# KiCad board 4in1-panel.kicad_pcb (continued)
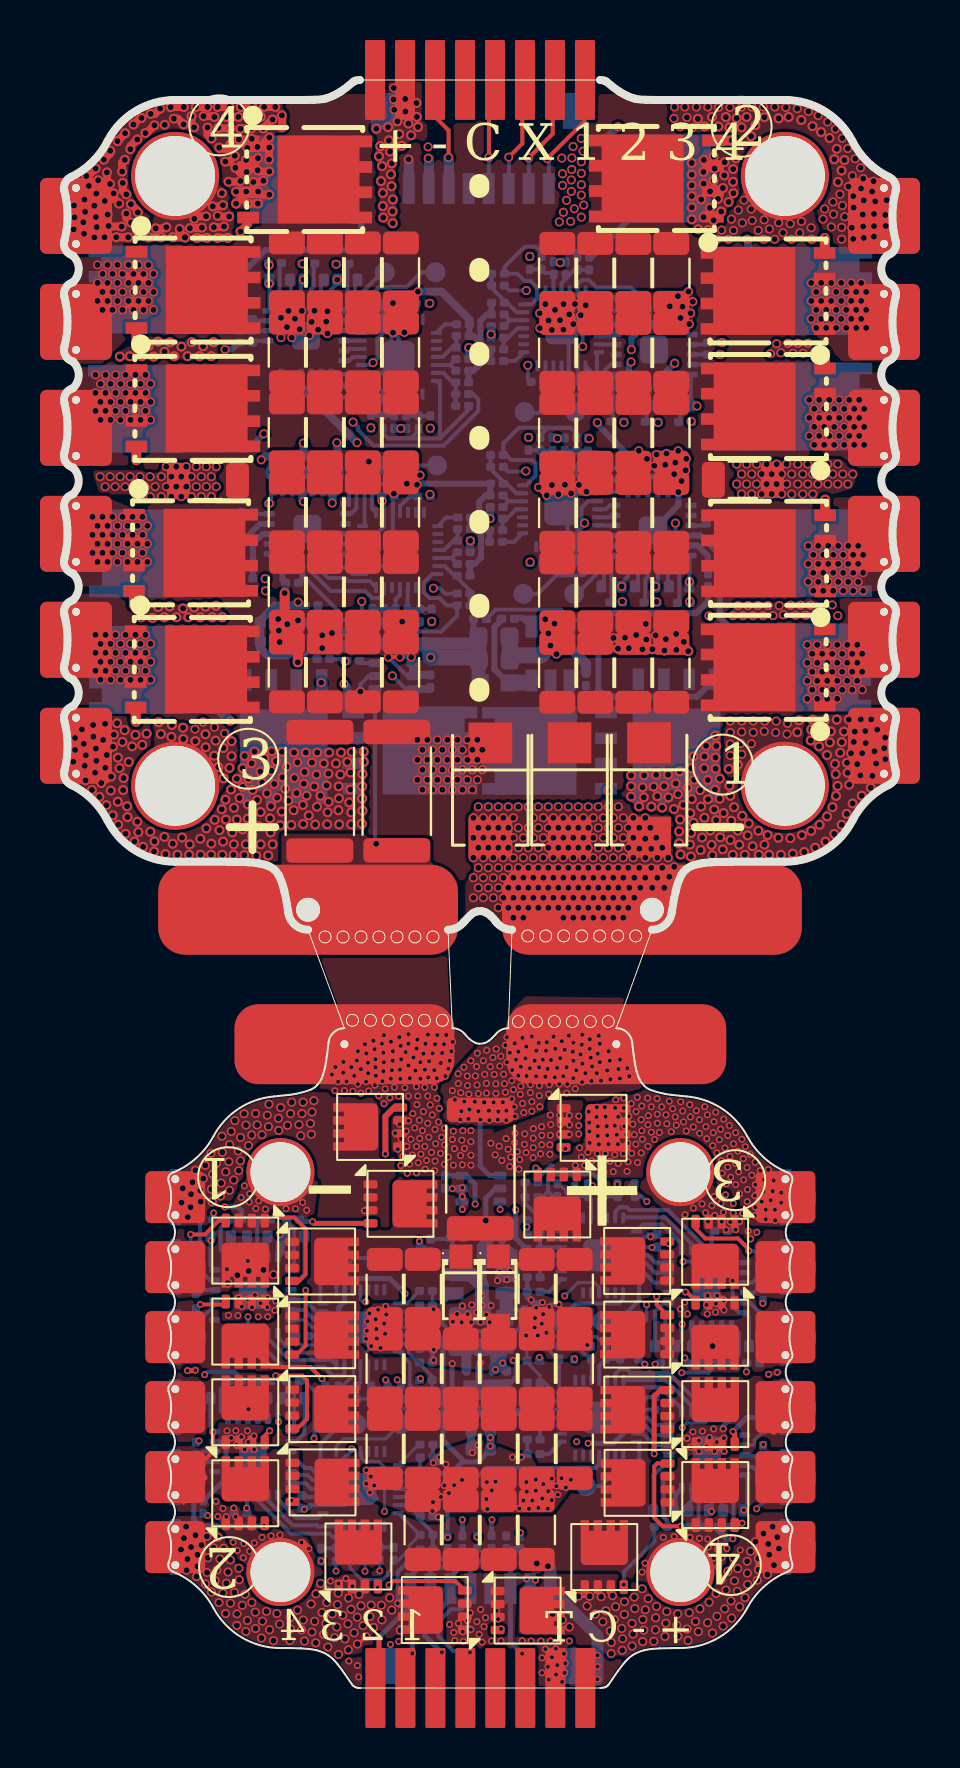
[diagram p0: board, top side]
## Routing (per net, layer and track width the routed paths; a pad name or vN(x,y) marks a point on that pad's centre or on a via; arc(x,y) is an arc through that point) (continued)
/CURR: length 39.8
  Top w0.2: 18.41,78.71 19.22,77.91 v1(19.22,76.54)
  In3.Cu w0.2: v1(14.04,51.36) 15.36,52.67 15.36,59.87 13.15,62.08 13.15,67.04 19.22,73.11 v1(19.22,76.54)
  Bottom w0.2: R73#2.1 14.06,51.37 v1(14.04,51.36) 13.94,51.46 C94#2.1
  Bottom w0.25: R73.1 C94.1 22.31,6.77 J1.3 22.31,2.31 v2(22.9,1.72)
  Bottom w0.5: v1(19.22,76.54) 19.21,76.53 19.21,76.38 19.23,76.35 19.23,75.57
/ESC1/AH: length 2.7
  Bottom w0.2: U2.20 12.59,18.84 12.02,19.41 U3#2.22 ; U2#2.20 26.69,58.14 U4#2.22
/ESC1/AL: length 4.5
  Bottom w0.2: U3#2.1 10.68,17.53 11.45,16.77 12.87,16.77 U2.15 ; U4#2.1 27.41,59.81 27.4,59.8 27.05,60.15 U2#2.15
/ESC1/BH: length 2.7
  Bottom w0.2: U3#2.23 12,18.91 12.47,18.44 U2.19 ; U2#2.19 27.45,58.56 U4#2.23
/ESC1/BL: length 7.5
  Bottom w0.2: U2#2.14 26.32,60.51 27.41,60.51 27.57,60.35 28.4,60.35 28.69,60.07 U4#2.2 ; U2.14 13.35,16.42 13.03,16.42 13.02,16.41 11.3,16.41 11.29,16.42 11.23,16.42 10.18,17.47 U3#2.2
/ESC1/CH: length 2.7
  Bottom w0.16: U2.18 12.93,18.04 12.39,18.04 12.02,18.41 U3#2.24
  Bottom w0.2: U2#2.18 27.1,58.96 27.29,59.14 U4#2.24
/ESC1/CL: length 10.8
  Bottom w0.2: U3#2.3 9.68,17.32 10.95,16.05 13.01,16.05 13.25,15.81 13.25,15.81 13.43,15.63 13.96,15.63 14,15.67 14,15.73 14,15.74 14.01,15.73 U2.13 ; U4#2.3 29.19,60.09 28.28,60.99 26.55,60.99 26.19,61.36 25.83,61.36 25.61,61.14 U2#2.13
/ESC1/FBA: length 6.3
  Bottom w0.16: U2.6 16.99,17.24 17.21,17.01 17.21,16.77 17.7,16.29 R26.2 17.77,16.21 18.4,15.58 R27.2 R25.1
  Bottom w0.2: R25#2.1 R27#2.2 21.32,60.97 21.95,60.34 R26#2.2 22.12,60.24 22.6,59.76 U2#2.6
/ESC1/FBB: length 5.2
  Bottom w0.16: U2.10 15.21,15.22 R28#2.2 15.44,15.1 16.09,14.45 16.83,14.45
  Bottom w0.2: R30#2.2 24.42,61.91 R29.2 24.41,61.87 U2#2.10
/ESC1/FBC: length 5.3
  Bottom w0.16: R33#2.2 R32.2 13.92,14.46 14.56,15.1 R31#2.2 14.81,15.28 U2.11
  Bottom w0.2: U2#2.11 24.81,61.14 25.03,61.36 R32#2.2 26.18,61.89 R33.2
/ESC1/FBCOMMON: length 16.2
  Bottom w0.16: U2.7 17.29,16.25 17.29,15.16 17.74,14.71 R25.2 17.76,14.67 17.07,13.98 15.81,13.98 R28#2.1 R31#2.1
  Bottom w0.2: U2#2.7 23.09,60.15 23.57,60.63 23.57,61.25 23.41,61.42 22.36,61.42 22.11,61.66 R25#2.2 21.96,62.26 22.74,63.04 25.33,63.04 25.34,63.03 ; 25.34,63.03 25.61,62.76 R31.1 ; 25.34,63.03 24.18,63.03 23.81,62.66 R28.1
/ESC1/GHA: length 5.2
  Bottom w0.2: R76.1 27.37,54.37 27.37,56.48 U4#2.19 ; U3#2.19 11.5,21.08 11.5,22.95 11.11,23.33 R16.1
/ESC1/GHB: length 3.7
  Bottom w0.2: R21#2.1 9.65,23.4 9.65,21.6 U3#2.16 ; R55.1 29.06,54.34 29.06,55.44 29.19,55.57 U4#2.16
/ESC1/GHC: length 4
  Bottom w0.2: R23#2.1 30.76,54.35 30.76,55.92 U4#2.13 ; U3#2.13 7.82,21.92 7.82,23.03 R23.1
/ESC1/GLA: length 5.4
  Bottom w0.2: U3#2.11 7.27,20.41 6.79,20.89 R17.1
  Bottom w0.3: R80.1 32.2,56.62 31.67,57.14 U4#2.11
/ESC1/GLB: length 3.8
  Bottom w0.2: U3#2.10 6.95,19.91 6.69,19.64 6.58,19.64
  Bottom w0.3: U4#2.10 31.82,57.65 32.79,56.68 R62#2.1
/ESC1/GLC: length 2.3
  Bottom w0.2: U3#2.9 7.52,19.16 6.69,18.33 R24.1 ; R42.1 32.02,58.14 U4#2.9
/ESC1/MotorA: length 42.8
  In3.Cu w0.2: v2(17.82,15.48) 18.03,15.69 18.03,20.85 v2(15.01,23.88) ; v1(23.09,60.86) 23.12,60.83 25.8,60.83 27.88,58.75 v1(27.88,55.09)
  In3.Cu w0.3: v2(10.78,22.67) 10.91,22.67 10.98,22.6 11.26,22.6 11.88,21.97 13.88,21.97 15.01,23.1 v2(15.01,23.88)
  In3.Cu w0.4: v1(27.88,55.09) 28.16,55.09 28.56,54.69 28.56,54.07 28.18,53.68 26.75,53.68 26.39,53.32 26.39,47.6 v3(28.35,45.64)
  Bottom w0.16: R27.1 17.76,15.42 v2(17.82,15.48)
  Bottom w0.2: C53.1 10.68,22.28 U3#2.18 ; v1(27.88,55.09) 27.88,55.28 28.19,55.59 U4#2.18 ; v1(23.09,60.86) 23.09,60.94 22.99,60.84 22.19,60.84 R27#2.1
  Bottom w0.26: v2(10.78,22.67) 10.89,22.57 10.89,21.77 U3#2.18
  Bottom w0.4: 32.56,47.58 v3(32.1,47.12)
  vias: v1(5.86,24.28) v1(5.92,24.99) v1(6.17,23.56) v1(6.33,24.7) v1(6.32,24.05) v1(6.41,25.3) v1(6.56,25.9) v1(6.8,24.88) v1(6.82,24.32) v1(6.95,25.48) v1(7.05,26.14) v1(7.33,26.74) v1(7.35,24.95) v1(7.4,24.32) v1(7.42,25.7) v1(7.61,26.24) v1(7.88,27.6) v1(7.9,26.8) v1(7.84,25.26) v1(7.82,24.61) v1(8.07,25.82) v1(8.27,27.18) v1(8.23,26.33) v1(8.26,24.89) v1(8.34,27.84) v1(8.47,25.41) v1(8.53,28.38) v1(8.7,26.86) v1(8.81,27.54) v1(8.8,26.37) v1(8.73,25.87) v1(8.99,28.72) v1(9.08,28.16) v1(9.21,27.13) v1(9.37,27.66) v1(9.57,28.73) v1(9.64,28.16) v1(9.89,27.67) v1(10.15,28.65) v1(10.23,29.2) v1(10.21,28.07) v1(10.71,28.5) v1(10.72,27.88) v1(10.83,29.03) v1(11.16,28.14) v1(11.37,29.3) v1(11.31,28.73) v1(11.74,28.18) v1(11.89,28.73) v1(11.82,27.62) v1(11.94,29.3) v1(12.31,28.24) v1(12.39,28.81) v1(12.35,27.7) v1(12.48,29.38) v3(28.35,45.1) v3(28.35,44.58) v3(28.75,44.09) v3(29,45.64) v3(28.92,45.05) v3(28.99,44.55) v3(29.36,44.08) v3(29.48,45.08) v3(29.6,45.67) v3(29.66,44.6) v3(29.9,44.03) v3(30,45.1) v3(30.2,45.68) v3(30.22,44.55) v3(30.5,43.96) v3(30.58,45.24) v3(30.7,44.7) v3(30.78,45.84) v3(30.8,43.44) v3(30.75,42.84) v3(30.75,42.24) v3(30.82,41.69) v3(30.96,44.17) v3(31.18,45.02) v3(31.29,42.18) v3(31.35,46.01) v3(31.39,44.46) v3(31.31,43.76) v3(31.35,42.77) v3(31.34,41.58) v3(31.47,46.59) v3(31.51,45.43) v3(31.47,43.28) v3(31.8,44.91) v3(31.85,44.08) v3(31.9,42.54) v3(31.83,41.91) v3(32.01,46) v3(32.02,46.59) v3(32.02,43.52) v3(32.19,45.41) v3(32.2,44.45) v3(32.31,42.89) v3(32.38,42.17) v3(32.51,43.94) v3(32.41,41.65) v3(32.56,47.63) v3(32.57,46.53) v3(32.57,45.98) v3(32.54,44.93) v3(32.61,43.41) v3(32.61,47.11) v3(32.79,45.48) v3(32.78,44.47) v3(32.81,42.55) v3(32.98,43.76) v3(32.98,43.04) v3(32.93,41.95) v3(33.27,45.12) v3(33.31,44.62) v3(33.36,43.38) v3(33.32,42.41) v3(33.5,44.06) v3(33.43,41.67) v3(33.69,42.88) v3(33.76,42.18) v3(33.91,43.62) v3(34.03,41.67) v3(34.18,42.64) v3(34.24,43.23) v3(34.43,42.1) v3(34.72,42.88) v3(34.74,41.67) v3(35.02,42.18) v3(35.17,42.66) v3(35.25,41.67) v3(35.72,42.53) v3(35.84,41.67) v3(36.31,42.5) v3(36.44,41.73) v3(36.89,42.66) v3(37.01,41.81) v3(37.36,47.93) v3(37.34,47.39) v3(37.35,42.87) v3(37.44,48.43) v3(37.56,42.03) v3(37.75,47.1) v3(37.78,43.17) v3(37.87,47.62) v3(38.04,48.4) v3(38.07,42.33) v3(38.15,46.66) v3(38.15,43.59) v3(38.29,47.29) v3(38.34,47.84) v3(38.42,44.06) v3(38.55,46.22) v3(38.59,45.71) v3(38.6,44.62) v3(38.51,42.72) v3(38.64,48.43) v3(38.68,45.12) v3(38.89,47.31) v3(38.81,46.77) v3(38.89,43.17) v3(39,47.83) v3(39.15,46.28) v3(39.18,45.78) v3(39.14,43.72) v3(39.24,48.43) v3(39.26,45.18) v3(39.35,46.75) v3(39.49,47.32) v3(39.43,44.24) v3(39.54,47.83) v3(39.66,46.21) v3(39.84,48.44) v3(39.82,45.64) v3(39.89,44.63) v3(39.91,46.75) v3(40.06,47.86) v3(40.09,47.26) v3(40.36,48.44) v3(40.34,45.03) v3(40.42,45.62) v3(40.52,46.85) v3(40.61,46.24) v3(40.66,47.93) v3(41.01,47) v3(41.06,47.53) v3(41.07,46.45)
/ESC1/MotorB: length 41.8
  Top w0.16: 5.55,21.95 5.55,21.45 5.83,21.16
  In3.Cu w0.2: v1(29.57,55.09) 29.57,58.58 26.15,62.01 23.77,62.01 v1(23.22,62.55) ; v2(16.07,15.41) 13.58,17.89 13.58,20.55 12.77,21.36 v2(9.18,21.36)
  In3.Cu w0.3: 5.55,21.95 6.56,21.95 6.86,22.25 6.86,22.58 7.14,22.86 7.54,22.86 8.13,22.27 v2(8.13,20.95) ; v1(37.66,52.17) 32.29,52.17 31.21,53.25 29.86,53.25 29.08,54.04 29.08,54.6 v1(29.57,55.09)
  Bottom w0.16: v1(9.22,20.86) 9,20.65 v1(8.65,20.65)
  Bottom w0.2: U4#2.15 29.69,55.21 v1(29.57,55.09) ; U3#2.15 9.18,22.53 C32#2.1 ; R30#2.1 v1(23.22,62.55)
  Bottom w0.26: v2(16.07,15.41) 16.16,15.32 R30.1 ; U3#2.15 9.18,21.36 v2(9.18,21.36)
  vias: v1(8.18,20.25) v1(9.96,20.91) v1(10.46,20.67) v1(37.16,52.17) v1(37.16,51.27) v1(37.16,50.37) v1(37.16,49.47) v1(37.41,51.72) v1(37.41,50.82) v1(37.41,49.92) v1(37.66,51.27) v1(37.66,50.37) v1(37.66,49.47) v1(37.91,51.72) v1(37.91,50.82) v1(37.91,49.92) v1(38.16,52.17) v1(38.16,51.27) v1(38.16,50.37) v1(38.16,49.47) v1(38.41,51.72) v1(38.41,50.82) v1(38.41,49.92) v1(38.66,52.17) v1(38.66,51.27) v1(38.66,50.37) v1(38.66,49.47) v1(38.91,51.72) v1(38.91,50.82) v1(38.91,49.92) v1(39.16,52.17) v1(39.16,51.27) v1(39.16,50.37) v1(39.41,51.72) v1(39.41,50.82) v1(39.41,49.92) v1(39.66,52.17) v1(39.66,51.27) v1(39.66,50.37) v1(39.91,51.72) v1(39.91,50.82) v1(39.91,49.92)
/ESC1/MotorC: length 31.5
  Top w0.16: 5.74,17.63 5.55,17.82 5.55,18.45 ; 9.05,17.26 9.86,16.46
  Top w0.2: v2(12.89,15.47) 12.31,16.05 10.37,16.05 Q6.3
  In3.Cu w0.2: v1(26.25,62.49) 26.34,62.49 v1(30.57,58.26)
  In3.Cu w0.3: v1(37.21,55.32) 31.28,55.32 v1(31.27,55.33) ; v2(7.34,22.38) 7.34,18.21 6.91,17.77 6.22,17.77 5.55,18.45
  Bottom w0.16: R33#2.1 13.03,15.33 v2(12.89,15.47)
  Bottom w0.2: U3#2.12 7.31,21.12 C36.1 7.31,22.41 v2(7.34,22.38) ; v1(26.25,62.49) 26.23,62.52 R33.1 ; v1(31.27,55.33) C36#2.1 v1(31.27,55.33) ; v1(31.27,55.33) 31.27,56.57 U4#2.12 31.08,56.65 30.57,57.15 v1(30.57,58.26)
  vias: v1(37.21,57.12) v1(37.21,56.22) v1(37.46,56.67) v1(37.46,55.77) v1(37.46,54.87) v1(37.71,57.12) v1(37.71,56.22) v1(37.71,55.32) v1(37.96,56.67) v1(37.96,55.77) v1(37.96,54.87) v1(38.21,57.12) v1(38.21,56.22) v1(38.21,55.32) v1(38.46,56.67) v1(38.46,55.77) v1(38.46,54.87) v1(38.71,57.12) v1(38.71,56.22) v1(38.71,55.32) v1(38.96,56.67) v1(38.96,55.77) v1(38.96,54.87) v1(39.21,57.12) v1(39.21,56.22) v1(39.21,55.32) v1(39.46,56.67) v1(39.46,55.77) v1(39.46,54.87) v1(39.71,57.12) v1(39.71,56.22) v1(39.71,55.32) v1(39.96,56.67) v1(39.96,55.77) v1(39.96,54.87)
/ESC2/AH: length 2.7
  Bottom w0.2: U5.20 26.75,67.19 U6.22 ; U7.22 11.71,11.32 12.02,11.01 12.32,11.01 12.58,10.75 U6#2.20
/ESC2/AL: length 4.6
  Bottom w0.2: U5.15 27.11,69.2 27.46,68.85 27.47,68.86 U6.1 ; U6#2.15 12.69,8.5 11.62,8.5 10.68,9.43 U7.1
/ESC2/BH: length 2.7
  Bottom w0.2: U7.23 11.59,10.82 11.76,10.65 12.17,10.65 12.43,10.39 12.9,10.39 U6#2.19 ; U5.19 27.51,67.61 U6.23
/ESC2/BL: length 7.5
  Bottom w0.2: U6#2.14 12.71,8.08 12.65,8.14 11.42,8.14 10.18,9.38 10.18,9.65 ; U5.14 26.38,69.56 27.47,69.56 27.63,69.4 28.46,69.4 28.75,69.12 U6.2
/ESC2/CH: length 2.7
  Bottom w0.2: U6#2.18 12.36,9.95 12.07,10.24 11.42,10.24 U7.24 ; U5.18 27.16,68.01 27.35,68.19 U6.24
/ESC2/CL: length 10.6
  Bottom w0.2: U5.13 25.67,70.19 25.89,70.41 26.25,70.41 26.61,70.04 28.34,70.04 29.25,69.14 U6.3 ; U7.3 9.68,9.37 11.33,7.72 13.25,7.72 13.43,7.54 13.79,7.54 14.01,7.76 U6#2.13
/ESC2/FBA: length 6.1
  Bottom w0.2: U5.6 22.63,68.81 22.15,69.28 R11.2 22.01,69.39 21.37,70.03 R10.1 ; R12.2 R10#2.1 18.44,7.76 17.8,8.4 R11#2.2 17.76,8.6 17.21,9.15 U6#2.6
/ESC2/FBB: length 4.7
  Bottom w0.2: R15.2 R13.2 24.05,70.77 24.49,70.77 24.47,70.75 U5.10 ; U6#2.10 15.23,8.05 15.23,7.01 ; R13#2.2 R15#2.2
/ESC2/FBC: length 4.9
  Bottom w0.16: U6#2.11 14.81,7.51 14.3,7 R34.2
  Bottom w0.2: R36#2.2 R34.2 ; 26.24,70.94 R36.2 25.51,70.92 25.27,70.69 R35#2.2 25.07,70.46 24.87,70.25 U5.11
/ESC2/FBCOMMON: length 15.4
  Bottom w0.16: R34.1 14.3,5.99 14.87,5.42 15.83,5.42 15.85,5.44 15.95,5.44 16.19,5.69 16.19,5.78 16.32,5.91 16.32,6.24 R13#2.1 16.71,6.39 17.25,6.93 17.25,7.11 R10#2.2 17.79,7.66 U6#2.7
  Bottom w0.2: U5.7 23.36,69.2 23.65,69.49 23.65,70.04 23.31,70.38 23.01,70.38 22.66,70.73 R10.2 22.01,71.07 23.03,72.08 23.61,72.08 23.87,71.82 R13.1 23.87,71.71 24.02,71.85 25.62,71.85 25.67,71.8 R34#2.1
/ESC2/GHA: length 5.2
  Bottom w0.2: U6.19 27.43,65.53 27.43,63.42 R77.1 ; R1.1 11.11,15.23 11.5,14.84 11.5,12.99 U7.19
/ESC2/GHB: length 3.7
  Bottom w0.2: R6.1 9.65,15.31 9.65,13.51 U7.16 ; U6.16 29.25,64.62 29.12,64.49 29.12,63.39 R56#2.1
/ESC2/GHC: length 4
  Bottom w0.2: U6.13 30.82,64.97 30.82,63.4 R24#2.1 ; R8.1 7.82,14.94 7.82,13.84 U7.13
/ESC2/GLA: length 4.7
  Bottom w0.2: R81.1 32.09,66.19 U6.11
  Bottom w0.25: U7.11 7.89,12.32 7.89,12.32 8.08,12.12 8.08,10.48 6.96,9.36
/ESC2/GLB: length 1.8
  Bottom w0.2: U6.10 R63.1 ; R7.1 6.78,11.66 6.95,11.82 U7.10
/ESC2/GLC: length 2
  Bottom w0.2: U7.9 7.11,11.32 R9.1 ; R43.1 32.08,67.19 U6.9
/ESC2/MotorA: length 36.1
  Top w0.16: 14.73,2.2 v1(15.09,2.57)
  In2.Cu w0.2: v1(28.35,66.32) 28.47,66.32 28.92,66.78 28.92,67.24 26.27,69.89 v1(23.11,69.89)
  In3.Cu w0.2: v2(10.71,13.32) 11.18,12.85 11.18,10.52 12.06,10.52 12.96,9.62 12.96,8.02 14.09,6.9 v2(14.09,5.47)
  In3.Cu w0.4: v1(28.35,66.32) 29.93,64.75 36.94,64.75 v1(37.26,64.42)
  Bottom w0.2: U6.18 28.25,64.64 27.94,64.33 C56.1 ; R12.1 16.67,5.81 v2(16.67,4.24) ; C59.1 10.68,14.19 10.68,13.35 v2(10.71,13.32) ; R12#2.1 22.25,69.91 23.1,69.91 v1(23.11,69.89)
  Bottom w0.3: v1(28.35,66.32) 28.25,66.23 U6.18
  vias: v1(5.83,6.92) v1(5.98,7.5) v1(6.09,8.07) v1(6.16,6.45) v1(6.12,5.89) v1(6.34,7.05) v1(6.56,7.64) v1(6.66,6.66) v1(6.66,6.09) v1(6.61,5.57) v1(6.86,7.15) v1(7.06,5.21) v1(7.13,7.59) v1(7.17,6.51) v1(7.14,5.78) v1(7.36,4.8) v1(7.46,7.01) v1(7.54,5.37) v1(7.68,7.54) v1(7.62,5.9) v1(7.78,6.45) v1(7.73,4.27) v1(7.97,6.99) v1(7.93,4.75) v1(8.1,5.24) v1(8.06,3.73) v1(8.19,5.8) v1(8.3,6.41) v1(8.31,4.25) v1(8.51,4.78) v1(8.64,3.71) v1(8.63,3.13) v1(8.73,5.99) v1(8.74,5.42) v1(8.9,4.14) v1(9.04,4.69) v1(9.08,2.82) v1(9.15,3.38) v1(9.38,4.28) v1(9.55,3.79) v1(9.56,2.97) v1(9.86,2.5) v1(9.91,3.34) v1(10.11,3.84) v1(10.26,2.91) v1(10.46,2.37) v1(10.63,3.72) v1(10.76,3.2) v1(11.3,3.52) v1(11.28,2.38) v1(11.32,2.95) v1(11.66,3.9) v1(11.86,2.91) v1(11.95,3.4) v1(12.01,2.35) v1(12.34,4.2) v1(12.38,2.8) v1(12.59,4.71) v1(12.52,3.34) v1(12.58,2.26) v1(12.82,5.24) v1(12.89,3.78) v1(12.97,2.68) v1(13.08,3.23) v1(13.13,4.85) v1(13.13,4.27) v1(13.18,2.05) v1(13.4,3.71) v1(13.52,2.52) v1(13.7,4.75) v1(13.66,4.17) v1(13.63,3.05) v1(13.71,1.67) v1(13.93,3.64) v1(14.04,2.46) v1(14.18,3.21) v1(14.21,1.91) v1(14.22,4.5) v1(14.34,3.94) v1(14.49,2.76) v1(14.65,3.54) v1(14.66,2.2) v1(14.74,4.68) v1(14.84,4.11) v1(14.94,3.12) v1(15.28,3.57) v1(15.34,4.15) v1(15.47,3.03) v1(15.86,4.14) v1(15.89,3.41) v1(16.28,4.51) v1(16.38,3.9) v1(16.81,2.89) v1(37.26,63.52) v1(37.26,62.62) v1(37.51,63.97) v1(37.51,63.07) v1(37.51,62.17) v1(37.76,64.42) v1(37.76,63.52) v1(37.76,62.62) v1(38.01,63.97) v1(38.01,63.07) v1(38.01,62.17) v1(38.26,64.42) v1(38.26,63.52) v1(38.26,62.62) v1(38.51,63.97) v1(38.51,63.07) v1(38.51,62.17) v1(38.76,64.42) v1(38.76,63.52) v1(38.76,62.62) v1(39.01,63.97) v1(39.01,63.07) v1(39.01,62.17) v1(39.26,64.42) v1(39.26,63.52) v1(39.26,62.62) v1(39.51,63.97) v1(39.51,63.07) v1(39.51,62.17) v1(39.76,64.42) v1(39.76,63.52) v1(39.76,62.62) v1(40.01,63.97) v1(40.01,63.07) v1(40.01,62.17) v2(13.31,5.35) v2(13.71,5.22) v2(14.41,5.09)
/ESC2/MotorB: length 42.2
  Top w0.16: 5.87,14.12 5.55,14.44 5.55,14.95
  Top w0.2: 8.91,14.24 9.21,13.95 v2(9.21,13.95)
  In2.Cu w0.2: v1(30.53,66.26) 30.53,66.35 26.21,70.66 24.22,70.66 v1(23.28,71.6)
  In3.Cu w0.2: v2(9.21,13.95) 9.72,14.45 14.06,14.45 16.68,11.82 16.68,10.25 15.04,8.6 v2(15.04,5.84)
  In3.Cu w0.4: v1(39.11,68.02) 39.09,68 39.09,66.36 38.44,65.72 31.07,65.72 v1(30.53,66.26)
  Bottom w0.16: v2(15.04,5.84) 15.05,5.85 R15#2.1
  Bottom w0.2: 9.21,14.53 v2(9.21,13.95) 9.18,13.92 9.18,13.47 9.18,14.45 C33.1 ; U6.15 29.75,64.26 C33#2.1 ; R15.1 v1(23.28,71.6)
  Bottom w0.3: v1(30.53,66.26) 29.75,65.48 U6.15
  vias: v1(37.36,70.27) v1(37.36,69.38) v1(37.36,68.47) v1(37.61,69.82) v1(37.61,68.92) v1(37.61,68.02) v1(37.86,70.27) v1(37.86,69.38) v1(37.86,68.47) v1(38.11,69.82) v1(38.11,68.92) v1(38.11,68.02) v1(38.36,70.27) v1(38.36,69.38) v1(38.36,68.47) v1(38.61,69.82) v1(38.61,68.92) v1(38.61,68.02) v1(38.86,70.27) v1(38.86,69.38) v1(38.86,68.47) v1(39.11,69.82) v1(39.11,68.92) v1(39.36,70.27) v1(39.36,69.38) v1(39.36,68.47) v1(39.61,69.82) v1(39.61,68.92) v1(39.61,68.02) v1(39.86,70.27) v1(39.86,69.38) v1(39.86,68.47) v1(40.11,69.82) v1(40.11,68.92) v1(40.11,68.02)
/ESC2/MotorC: length 41.3
  Top w0.16: 5.96,9.24 5.96,11.03 5.55,11.45 5.55,10.76 ; 37.95,73.89 v1(38.03,73.97)
  Top w0.2: 5.55,11.45 7.07,11.45 7.43,11.81 v2(7.43,12.8)
  Top w0.3: 7.02,10.52 6.05,11.49
  In3.Cu w0.2: 5.55,11.45 6.99,10.01 9.81,10.01 12.85,6.98 v2(12.85,6.35)
  In3.Cu w0.5: v1(31.64,64.12) 29.66,64.12 27.71,66.06 27.71,70.85 30.92,74.06 v3(31.38,74.06)
  Bottom w0.2: v2(7.43,12.8) 7.45,12.82 U7.12 7.31,13.03 C37#2.1 ; C37.1 31.33,65.62 U6.12
  Bottom w0.3: Q22#2.3 26.36,71.56 R36.1 ; v1(31.64,64.12) 31.62,64.14 C37.1
  vias: v1(30.49,78.5) v1(30.52,79.07) v1(30.81,78.09) v1(31.04,79.07) v1(31.14,78.55) v1(31.43,78.05) v1(31.61,79.07) v1(32.19,79.07) v1(32.72,79.06) v1(33.29,79.05) v1(33.87,79.06) v1(34.39,79.07) v1(34.96,79.07) v1(35.54,79.07) v1(36.09,79.05) v1(36.66,78.99) v1(37.22,78.85) v1(37.7,78.65) v1(37.95,73.47) v1(38.18,78.32) v1(38.37,73.07) v1(38.45,74.32) v1(38.47,73.71) v1(38.56,77.98) v1(38.8,74.71) v1(38.88,73.05) v1(38.88,72.46) v1(38.91,77.51) v1(38.92,74.15) v1(39.03,73.59) v1(39.19,76.99) v1(39.22,75.09) v1(39.39,73.04) v1(39.42,75.64) v1(39.46,74.61) v1(39.48,74.04) v1(39.46,72.47) v1(39.56,76.48) v1(39.83,76.03) v1(39.85,75) v1(39.96,75.5) v1(39.99,74.4) v1(39.94,73.69) v1(39.96,73.1) v1(39.99,72.52) v1(40.4,74.85) v1(40.48,75.37) v1(40.5,73.72) v1(40.5,73.11) v1(40.49,72.59) v1(40.56,74.35) v1(41.07,73.67) v1(41.09,73.12) v1(41.13,74.41) v3(31.38,76.27) v3(31.38,75.69) v3(31.38,75.15) v3(31.38,74.62) v3(31.38,73.46) v3(31.69,78.48) v3(31.7,72.96) v3(31.86,74.45) v3(31.99,76.43) v3(31.97,75.83) v3(31.98,75.24) v3(31.97,73.57) v3(32.03,78.1) v3(32.2,72.92) v3(32.3,74.86) v3(32.29,74.03) v3(32.4,78.57) v3(32.48,76.59) v3(32.47,75.39) v3(32.48,73.41) v3(32.53,75.99) v3(32.69,74.48) v3(32.72,78.1) v3(32.86,73.84) v3(32.94,75.02) v3(33.09,78.57) v3(33.03,76.31) v3(33.01,75.65) v3(33.27,78.05) v3(33.23,74.32) v3(33.45,75.97) v3(33.45,75.33) v3(33.47,74.76) v3(33.59,76.51) v3(33.63,78.51) v3(33.87,78.06) v3(34.13,78.57) v3(34.35,77.61) v3(34.57,78.16) v3(35.02,78.56) v3(35.73,78.51) v3(36.23,78.57) v3(36.86,78.43) v3(37.43,78.11) v3(37.85,77.82) v3(38.28,77.52) v3(38.51,76.46) v3(38.64,76.98) v3(38.7,75.32) v3(38.88,75.9) v3(39.02,76.42)
/ESC3/AH: length 2.7
  Bottom w0.2: U9.22 29.51,20.27 28.94,20.84 U8#2.20 ; U7#2.20 14.91,57.73 U8.22
/ESC3/AL: length 4.7
  Bottom w0.2: U8#2.15 28.96,23.18 29.9,23.18 30.88,22.21 U9.1 ; U7#2.15 14.42,55.72 14.08,56.06 U8.1
/ESC3/BH: length 2.7
  Bottom w0.2: U7#2.19 14.15,57.31 U8.23 ; U8#2.19 29.08,21.24 29.56,20.77 U9.23
/ESC3/BL: length 7.5
  Bottom w0.2: U7#2.14 15.28,55.36 14.19,55.36 14.03,55.52 13.2,55.52 12.91,55.8 U8.2 ; U9.2 31.38,22.22 30.05,23.54 27.98,23.54 U8#2.14
/ESC3/CH: length 2.7
  Bottom w0.2: U8.24 14.31,56.73 14.5,56.92 U7#2.18 ; U8#2.18 29.19,21.64 29.57,21.27 U9.24
/ESC3/CL: length 10.6
  Bottom w0.2: U8.3 12.41,55.78 13.31,54.88 15.04,54.88 15.41,54.51 15.77,54.51 15.99,54.73 U7#2.13 ; U9.3 31.88,22.22 30.2,23.9 28.28,23.9 28.13,24.05 27.77,24.05 27.55,23.83 U8#2.13
/ESC3/FBA: length 6.7
  Bottom w0.2: U8#2.6 24.55,22.44 24.33,22.66 24.33,22.9 23.83,23.39 R47#2.2 23.79,23.5 23.05,24.24 R48#2.2 ; U7#2.6 19.03,56.11 19.51,55.64 R47.2 19.65,55.53 20.29,54.89 R48.2 R46.1
/ESC3/FBB: length 5.4
  Bottom w0.16: 24.66,25.22 24.73,25.22 25.1,24.85 25.1,24.75 25.42,24.43 25.53,24.43 25.68,24.58 R51.2
  Bottom w0.2: U8#2.10 26.35,24.42 R51.2 ; R51#2.2 17.18,53.97 R50.2 17.17,55.02 U7#2.10
/ESC3/FBC: length 5.3
  Bottom w0.2: R54#2.2 15.42,53.99 R53#2.2 16.57,54.45 16.79,54.68 U7#2.11 ; 28.52,25.22 28.41,25.22 27.77,24.58 R52.2 26.75,24.38 U8#2.11
/ESC3/FBCOMMON: length 16.7
  Bottom w0.2: 16.26,52.85 17.42,52.85 17.79,53.21 R49.1 ; 16.26,52.85 16.27,52.84 18.86,52.84 19.65,53.63 R46.2 19.13,54.14 18.75,54.52 18.26,54.52 17.97,54.8 17.97,55.29 18.4,55.72 U7#2.7 ; 16.26,52.85 15.99,53.12 R52#2.1 ; R46#2.2 23.92,24.55 24.2,24.83 ; U8#2.7 24.86,23.49 24.61,23.74 24.61,24.58 ; 24.2,24.83 24.2,25.5 24.41,25.71 26.46,25.71 R52.1 ; 24.2,24.83 24.45,24.58 R49#2.1
/ESC3/GHA: length 5.2
  Bottom w0.2: U9.19 30.06,18.6 30.06,16.75 30.45,16.37 R37.1 ; R78.1 14.23,61.5 14.23,59.4 U8.19
/ESC3/GHB: length 3.7
  Bottom w0.2: R42#2.1 31.91,16.28 31.91,18.08 U9.16 ; U8.16 12.41,60.3 12.54,60.43 12.54,61.53 R60#2.1
/ESC3/GHC: length 4
  Bottom w0.2: R37#2.1 10.84,61.52 10.84,59.95 U8.13 ; U9.13 33.74,17.76 33.74,16.65 R44.1
/ESC3/GLA: length 4.3
  Bottom w0.2: U9.11 34.29,19.27 34.77,18.79 R38#2.1 ; R82.1 9.57,58.73 U8.11
/ESC3/GLB: length 5.5
  Bottom w0.2: 34.94,20.02 34.74,20.02 34.49,19.77 U9.10
  Bottom w0.3: U8.10 9.78,58.23 8.89,57.34 8.89,55.22 9.22,54.89 R74#2.1
/ESC3/GLC: length 3.9
  Bottom w0.2: R45#2.1 34.4,20.27 U9.9
  Bottom w0.3: U8.9 9.93,57.73 9.43,57.23 R44#2.1
/ESC3/MotorA: length 31.7
  In2.Cu w0.2: v1(13.4,59.27) 17.69,54.97 18.43,54.97 v1(18.46,55)
  In2.Cu w0.3: v2(30.9,18.19) 31.36,18.19 31.66,18.49 31.66,18.94 31.63,18.96 31.63,19.77 33.24,21.38 34.94,21.38 35.12,21.56 35.12,23.41 v2(35.08,23.45)
  In3.Cu w0.4: v1(4.16,57.22) 6.26,57.22 9.43,60.4 12.27,60.4 v1(13.4,59.27)
  Bottom w0.2: U9.18 30.88,17.4 C73.1 ; C62.1 13.72,60.59 13.41,60.28 U8.18 ; v1(18.46,55) 18.46,54.91 18.55,55 18.78,55 19.05,54.73 R48.1 ; R48#2.1 23.69,25.5 24.33,26.14 24.42,26.14
  Bottom w0.3: v2(30.9,18.19) 30.88,18.16 U9.18
  Bottom w0.4: U8.18 13.41,59.28 v1(13.4,59.27)
  vias: v1(1.41,58.57) v1(1.41,57.67) v1(1.41,56.77) v1(1.66,58.12) v1(1.66,57.22) v1(1.66,56.32) v1(1.91,58.57) v1(1.91,57.67) v1(1.91,56.77) v1(2.16,58.12) v1(2.16,57.22) v1(2.16,56.32) v1(2.41,58.57) v1(2.41,57.67) v1(2.41,56.77) v1(2.66,58.12) v1(2.66,57.22) v1(2.66,56.32) v1(2.91,58.57) v1(2.91,57.67) v1(2.91,56.77) v1(3.16,58.12) v1(3.16,57.22) v1(3.16,56.32) v1(3.41,58.57) v1(3.41,57.67) v1(3.41,56.77) v1(3.66,58.12) v1(3.66,57.22) v1(3.66,56.32) v1(3.91,58.57) v1(3.91,57.67) v1(3.91,56.77) v1(4.16,58.12) v1(4.16,56.32) v2(25.56,26.14) v2(25.77,27.02) v2(25.86,26.55) v2(26.02,26.14) v2(26.19,26.8) v2(26.23,28.82) v2(26.25,28.28) v2(26.26,27.84) v2(26.28,27.26) v2(26.38,26.36) v2(26.63,29.05) v2(26.62,28.56) v2(26.68,28.09) v2(26.68,27.61) v2(26.66,26.72) v2(26.74,27.19) v2(26.84,26.22) v2(26.99,25.79) v2(27.03,29.05) v2(27.07,28.58) v2(27.06,26.72) v2(27.13,28.11) v2(27.16,27.64) v2(27.22,27.2) v2(27.3,26.35) v2(27.46,25.83) v2(27.58,29.42) v2(27.55,29.02) v2(27.53,28.12) v2(27.53,26.67) v2(27.7,28.57) v2(27.63,27.67) v2(27.69,27.2) v2(27.7,26.23) v2(27.98,29.51) v2(27.99,29.01) v2(28.01,28.09) v2(27.96,26.72) v2(28.11,27.67) v2(28.18,27.25) v2(28.2,26.31) v2(28.15,25.84) v2(28.23,28.6) v2(28.36,29.22) v2(28.38,26.74) v2(28.43,28.2) v2(28.51,27.67) v2(28.6,28.83) v2(28.58,27.2) v2(28.66,29.55) v2(28.67,26.28) v2(28.88,29.11) v2(28.85,28.43) v2(28.88,27.88) v2(28.86,26.76) v2(28.91,27.45) v2(29.18,29.51) v2(29.21,28.62) v2(29.2,28.17) v2(29.19,27.1) v2(29.36,29.07) v2(29.36,27.8) v2(29.53,27.43) v2(29.65,29.48) v2(29.66,28.7) v2(29.66,28.25) v2(29.76,27.78) v2(29.88,29.06) v2(30.09,28.67) v2(30.14,28.22) v2(30.26,29.35) v2(30.36,27.82) v2(30.43,28.97) v2(30.56,28.56) v2(30.61,28.15) v2(30.83,29.32) v2(30.93,28.86) v2(30.97,28.32) v2(31.11,27.86) v2(31.28,29.17) v2(31.31,28.57) v2(31.46,28.06) v2(31.61,28.88) v2(31.77,28.42) v2(31.78,27.74) v2(32.03,29.07) v2(32.09,28.08) v2(32.17,28.67) v2(32.13,27.47) v2(32.5,28.32) v2(32.46,27.77) v2(32.43,27.12) v2(32.58,28.8) v2(32.64,26.77) v2(32.76,27.42) v2(32.83,27.95) v2(32.87,26.38) v2(32.98,28.45) v2(32.91,25.75) v2(33.05,27.01) v2(33.18,27.64) v2(33.18,26.05) v2(33.11,25.22) v2(33.26,28.13) v2(33.29,26.59) v2(33.33,25.55) v2(33.48,27.22) v2(33.58,27.77) v2(33.58,26.22) v2(33.58,25.17) v2(33.69,26.85) v2(33.73,25.81) v2(33.77,24.72) v2(33.89,27.45) v2(33.96,26.47) v2(33.98,25.41) v2(34.06,27.07) v2(34.15,26.03) v2(34.17,24.93) v2(34.16,24.32) v2(34.31,26.7) v2(34.39,25.65) v2(34.56,26.3) v2(34.56,26.3) v2(34.56,25.17) v2(34.53,24.62) v2(34.56,24.05) v2(34.53,23.62) v2(34.81,25.88) v2(34.88,24.32) v2(35.01,25.42) v2(34.96,24.82) v2(35.08,23.93) v2(35.21,25.92) v2(35.21,25.92) v2(35.33,24.4) v2(35.48,25.39) v2(35.43,24.85) v2(35.54,23.92) v2(35.56,23.39) v2(35.86,24.77) v2(35.86,24.27)
